# Allegro board RUBUS_20173009.brd (continued)
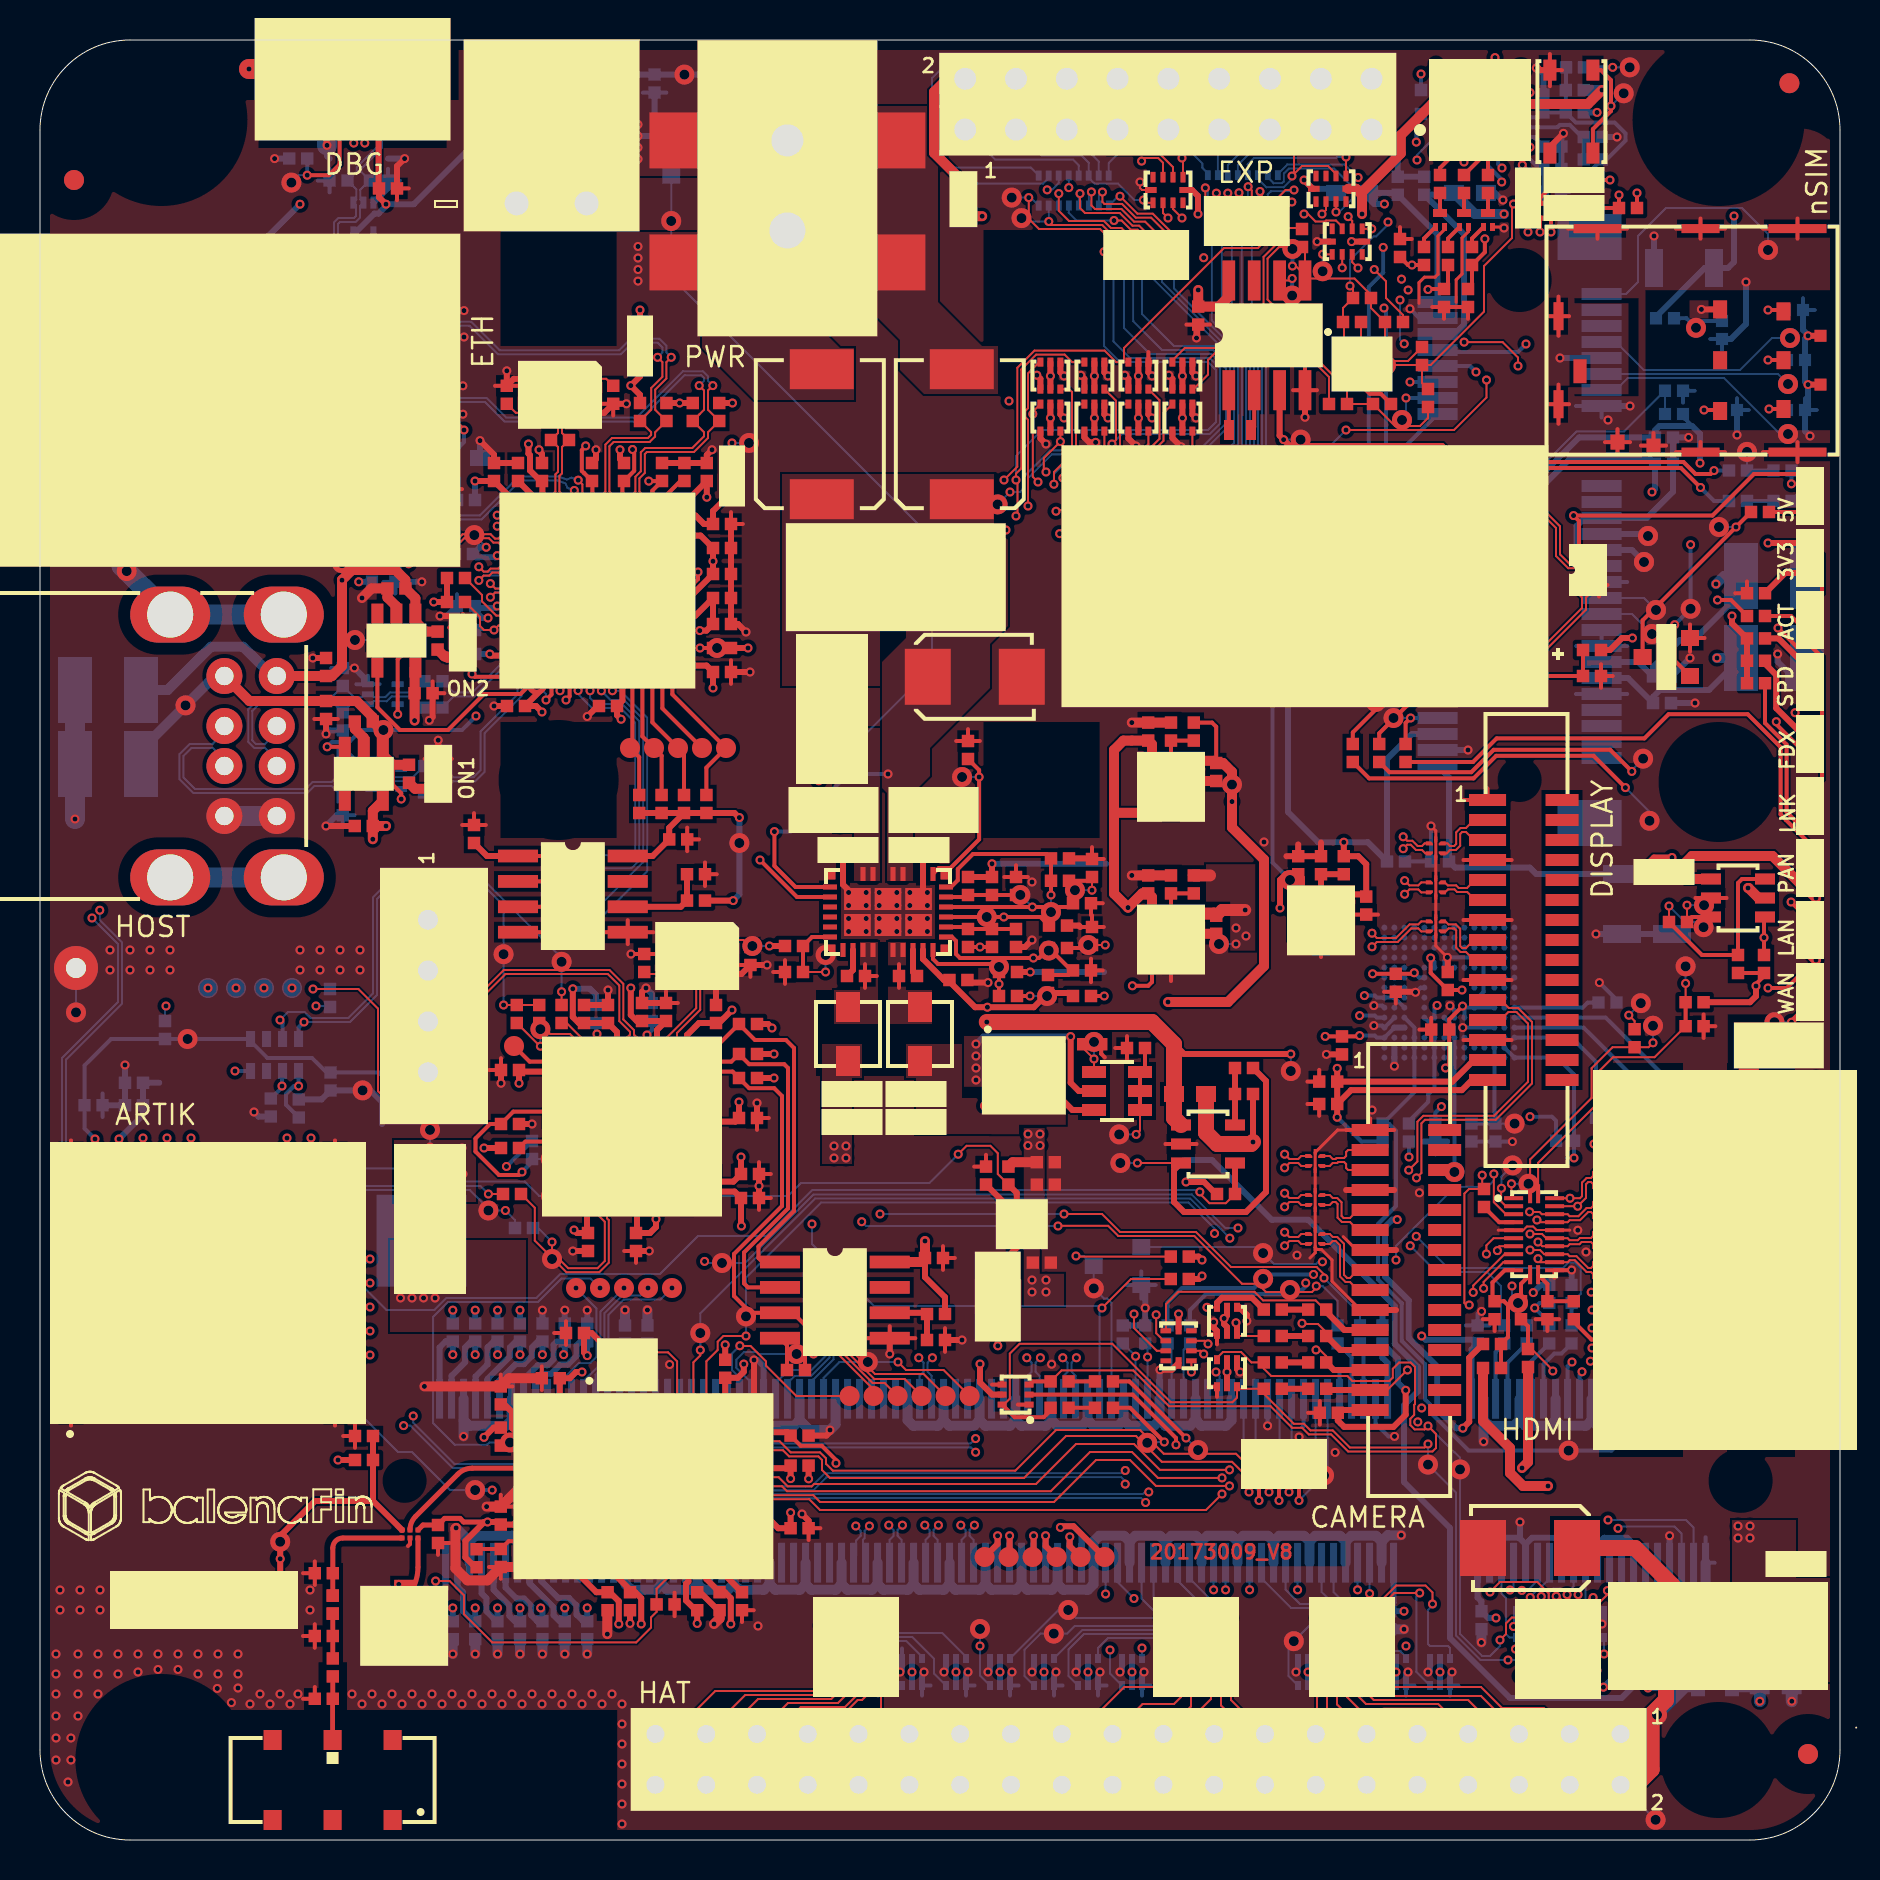
[diagram p0: board, top side]
## Routing (per net, layer and track width the routed paths; a pad name or vN(x,y) marks a point on that pad's centre or on a via; arc(x,y) is an arc through that point) (continued)
EE_CS: length 22.2
  TOP w0.2: U22.24 27.62,57.62 27.5,57.5 v1(27.5,57.46) ; U19.1 v1(25.5,49.2)
  TOP w0.3: U19.1 22.35,49.2 R170.2
  BOTTOM w0.1: v1(27.5,57.46) 27.5,57.1 27.8,56.8 29.11,56.8 29.96,55.94 29.96,48.98 29.57,48.59 28.05,48.59 v2(27.4,47.94) 27.02,47.55 25.34,47.55 25.1,47.8 25.1,48.8 v1(25.5,49.2)
EE_CS_FTDI: length 18.2
  TOP w0.2: U8.1 33.77,39.62 R191.1 34.95,40.8 35.75,40 37.3,40 37.7,39.6 37.7,31.45 35.92,29.68 35.92,29.1 36.12,28.9 U21.1
EE_DATA_FTDI: length 21.5
  TOP w0.2: R190.1 38.25,25.75 37.64,26.36 U21.3 35.54,26.36 34.7,27.2 34.7,29.3 37.1,31.7 37.1,37.2 36.71,37.59 35.46,37.59 34.95,38.1 R197.2 34.63,38.42 U8.55
EE_DI: length 18.4
  TOP w0.2: U19.4 v1(25.5,45.39) ; U22.26 v1(28.62,57.46)
  BOTTOM w0.1: v1(25.5,45.39) v2(26.35,45.39) 27.31,45.39 30.36,48.44 30.36,56.11 29.01,57.46 v1(28.62,57.46)
EE_DO: length 17.7
  TOP w0.2: U22.25 28.12,57.51 v1(28.07,57.46) ; U19.3 v1(25.5,46.66)
  BOTTOM w0.1: v1(28.07,57.46) 28.53,57 29.19,57 30.16,56.03 30.16,48.9 27.93,46.66 v2(27.43,46.66) v1(25.5,46.66)
EMMC_CLK: length 35.7
  INT1 w0.2: v1(66.22,42.22) 67.28,42.22 69.77,39.73 77.27,39.73 83.36,33.64 83.36,26.19 v1(80.58,23.41)
  BOTTOM w0.2: J2.10 v1(80.58,23.41) ; v1(66.22,42.22) 66.74,42.22 66.84,42.12 U17.P7 U17.N7 U17.M6
EMMC_CMD: length 35.5
  BOTTOM w0.2: 67.14,35.81 68.72,37.39 U17.L1 U17.L2 U17.L3 68.72,40.62 U17.M5 ; 67.14,35.81 R134.1 ; 67.14,35.81 67.45,35.81 67.8,35.46 67.8,31.7 66.9,30.8 66.9,28.02 68.09,26.84 68.09,24.95 69.25,23.79 69.25,22.03 69.51,21.78 69.51,21.39 71.43,19.47 v2(76.43,19.47) 78.57,19.47 79.98,20.88 J2.12
EMMC_D0: length 35.6
  INT1 w0.2: v1(77.6,25.6) 78.28,26.28 78.28,27.19 arc(78.36,27.38) 78.54,27.45 79.29,27.45 arc(79.45,27.62) 79.29,27.78 78.54,27.78 arc(78.38,27.94) 78.54,28.11 79.29,28.11 arc(79.45,28.27) 79.29,28.43 78.54,28.43 arc(78.38,28.6) 78.54,28.76 79.29,28.76 arc(79.45,28.92) 79.29,29.09 78.54,29.09 arc(78.38,29.25) 78.54,29.42 79.29,29.42 arc(79.45,29.58) 79.29,29.74 78.54,29.74 arc(78.38,29.91) 78.54,30.07 79.29,30.07 arc(79.45,30.23) 79.29,30.4 78.54,30.4 arc(78.38,30.56) 78.54,30.72 79.29,30.72 arc(79.45,30.89) 79.29,31.05 78.54,31.05 arc(78.38,31.21) 78.54,31.38 79.29,31.38 arc(79.45,31.54) 79.29,31.7 78.54,31.7 arc(78.43,31.75) 78.38,31.87 78.38,34.12 v1(77.7,34.8)
  BOTTOM w0.2: J2.16 78.78,24.42 v1(77.6,25.6) ; U17.A3 76.58,40.12 77.8,38.9 R138.1 77.8,34.9 v1(77.7,34.8)
EMMC_D1: length 35.7
  INT1 w0.2: v1(77.6,24.6) 79.17,24.6 80.16,25.58 80.16,26.68 arc(80.2,26.79) 80.32,26.84 80.88,26.84 arc(81.04,27) 80.88,27.17 80.32,27.17 arc(80.16,27.33) 80.32,27.49 80.88,27.49 arc(81.04,27.66) 80.88,27.82 80.32,27.82 arc(80.16,27.98) 80.32,28.15 80.88,28.15 arc(81.04,28.31) 80.88,28.48 80.32,28.48 arc(80.16,28.64) 80.32,28.8 80.88,28.8 arc(81.04,28.97) 80.88,29.13 80.33,29.13 arc(80.16,29.29) 80.33,29.46 80.9,29.46 arc(81.07,29.62) 80.9,29.78 80.4,29.78 arc(80.24,29.95) 80.4,30.11 80.9,30.11 arc(81.07,30.27) 80.9,30.44 80.4,30.44 arc(80.24,30.6) 80.4,30.76 80.9,30.76 arc(81.07,30.93) 80.9,31.09 80.38,31.09 arc(80.24,31.15) 80.18,31.29 80.18,33.97 v1(79.4,34.75)
  BOTTOM w0.2: J2.18 78.18,24.02 v1(77.6,24.6) ; v1(79.4,34.75) R137.1 79.4,38.4 77.18,40.62 U17.A4
EMMC_D2: length 35.6
  INT1 w0.2: v1(81.08,34.6) 81.16,34.6 81.43,34.33 arc(81.74,33.86) 81.85,33.31 81.85,31.51 arc(81.91,31.37) 82.05,31.31 82.39,31.31 arc(82.56,31.15) 82.39,30.98 81.83,30.98 arc(81.67,30.82) 81.83,30.66 82.39,30.66 arc(82.56,30.49) 82.39,30.33 81.83,30.33 arc(81.67,30.16) 81.83,30 82.39,30 arc(82.56,29.84) 82.39,29.67 81.83,29.67 arc(81.67,29.51) 81.83,29.35 82.39,29.35 arc(82.56,29.18) 82.39,29.02 81.83,29.02 arc(81.67,28.86) 81.83,28.69 82.39,28.69 arc(82.56,28.53) 82.39,28.37 81.83,28.37 arc(81.71,28.32) 81.67,28.2 81.67,25.87 79.21,23.41 v1(77.1,23.41)
  BOTTOM w0.2: v1(77.1,23.41) 77.1,23.4 76.98,23.28 J2.22 ; U17.A5 78.28,41.12 81.08,38.33 R136.1 v1(81.08,34.6)
EMMC_D3: length 35.6
  INT1 w0.2: v1(76.7,34.1) 77,34.1 77.73,33.37 arc(77.78,33.29) 77.8,33.19 77.8,28.43 arc(77.78,28.28) 77.72,28.13 arc(77.61,28.02) 77.46,27.98 75.4,27.98 arc(75.24,27.82) 75.4,27.65 76.94,27.65 arc(77.1,27.49) 76.94,27.33 75.4,27.33 arc(75.24,27.16) 75.4,27 76.94,27 arc(77.1,26.84) 76.94,26.67 75.4,26.67 arc(75.24,26.51) 75.4,26.34 76.94,26.34 arc(77.1,26.18) 76.94,26.02 75.38,26.02 arc(75.22,25.85) 75.38,25.69 76.94,25.69 arc(77.05,25.64) 77.1,25.53 77.1,24.4 v1(76.6,23.9)
  BOTTOM w0.2: v1(76.6,23.9) 76.38,23.68 J2.24 ; v1(76.7,34.1) R135.1 76.7,38.28 75.86,39.12 U17.A1 U17.B2
EMMC_DISABLE_N: length 117.6
  INT2 w0.1: v1(83.8,22.6) 86,22.6 87.18,23.78 87.18,54.38 88.3,55.5 88.3,56.51 87.59,57.22 87.59,61.7 80.31,68.97 80.31,72.51 77.12,75.7 54.05,75.7 53,74.65 38.23,74.65 35.11,77.78 35.11,85.29 34.58,85.82 v1(33.52,85.82)
  BOTTOM w0.1: v1(33.52,85.82) 33.53,85.83 Q2.3 ; v2(83.35,23.71) 83.8,23.26 v1(83.8,22.6) 83.3,22.1 83.02,22.1 J2.2
EMMC_DS: length 7.9
  BOTTOM w0.2: U17.H5 70.7,40.64 70.7,40.14 U17.G3 U17.G2 U17.G1 v2(70.72,33.4)
EMMC_EN_N_1V8: length 85.8
  TOP w0.1: v1(53.1,26.6) 54.55,28.05 R22.1
  INT2 w0.1: v1(38.6,30.8) 38.5,30.9 38.5,32.24 38.7,32.44 38.7,52.72 v1(38.94,52.96)
  BOTTOM w0.1: Q3.1 v2(31.56,80.95) 31.56,78.14 44.6,65.1 44.6,58.62 v1(38.94,52.96) ; J2.90 52.98,26.48 v1(53.1,26.6) 53,26.7 41.7,26.7 38.6,29.8 v1(38.6,30.8)
EMMC_RST: length 6
  BOTTOM w0.2: U17.K5 69.72,40.62 U17.J3 U17.J2 U17.J1 69.72,37.59 69.41,37.28 69.41,36.91 68.45,35.95 R133.1
ETH_RX+: length 36.5
  TOP w0.1: v1(33.64,72.72) 33.4,72.48 33.4,71.51 R164.1 33.4,70.39 33.4,70.1 32.7,69.4 30.34,69.4 30.24,69.3 30.24,68.35 29.97,68.08 29.97,67.42 30.12,67.27 U22.52 ; J20.3 17,73.89 15.2,72.1 14.47,72.1 v1(14.23,72.34)
  BOTTOM w0.1: v1(33.64,72.72) 33.4,72.96 33.4,73.18 33.14,73.44 32.15,73.44 29.83,71.12 23.31,71.12 22.33,72.1 19.85,72.1 C138.1 18.63,72.1 14.47,72.1 v1(14.23,72.34)
ETH_RX-: length 36.2
  TOP w0.1: v1(14.23,71.66) 14.47,71.9 15.2,71.9 17.02,70.08 J20.6 ; v1(32.96,72.72) 33.2,72.48 33.2,71.51 32.98,71.29 R165.1 33.2,70.39 33.2,70.19 32.61,69.6 30.26,69.6 30.04,69.38 30.04,68.43 29.77,68.16 29.77,67.42 29.62,67.27 U22.53
  BOTTOM w0.1: v1(14.23,71.66) 14.47,71.9 18.63,71.9 C139.1 19.85,71.9 22.25,71.9 23.23,70.92 29.91,70.92 32.23,73.24 33.06,73.24 33.2,73.1 33.2,72.96 v1(32.96,72.72)
ETH_TX+: length 31
  TOP w0.1: U22.55 28.62,67.27 28.47,67.42 28.47,69.69 28.68,69.9 29.47,69.9 30.48,69.9 30.75,70.17 30.75,70.38 R162.1 30.76,71.51 30.76,72.52 31.32,73.08 31.32,73.89 v1(31.56,74.13) ; v1(15.88,76.14) 16.12,75.9 16.48,75.9 17.02,76.44 18.73,76.44
  BOTTOM w0.1: v1(31.56,74.13) 31.32,74.38 31.32,74.71 30.97,75.06 29.53,75.06 28.96,74.49 22.98,74.49 21.56,75.91 19.8,75.91 C136.1 18.67,75.9 16.12,75.9 v1(15.88,76.14)
ETH_TX-: length 30.7
  TOP w0.1: v1(30.88,74.13) 31.12,73.89 31.12,73.16 30.56,72.6 30.56,71.51 R163.1 30.55,70.4 30.55,70.25 30.4,70.1 29.39,70.1 29.39,70.1 28.6,70.1 28.27,69.77 28.27,67.42 28.12,67.27 U22.56 ; v1(15.88,75.46) 16.12,75.7 16.5,75.7 17.03,75.17 J20.2
  BOTTOM w0.1: v1(30.88,74.13) 31.12,74.38 31.12,74.63 30.89,74.86 29.61,74.86 29.04,74.29 22.9,74.29 21.48,75.71 19.8,75.71 C137.1 18.69,75.7 16.12,75.7 v1(15.88,75.46)
FB_3V3: length 3.5
  TOP w0.2: U27.31 46.3,47.15 C221.2 R258.1 R266.2
FB_5V: length 3.5
  TOP w0.2: R265.2 R257.1 C220.2 46.3,45.65 U27.28
GPIO4: length 24.1
  TOP w0.1: RR5.4 v1(65.85,11.1)
  INT1 w0.1: v1(68.3,9.7) 66.84,9.7 65.85,10.69 v1(65.85,11.1)
  INT2 w0.1: v1(68.3,9.7) 69.1,8.9 72.9,8.9 73.17,8.62 73.56,8.62 73.83,8.9 78.4,8.9 79,9.5 79,11.83 v1(79.6,12.43)
  BOTTOM w0.1: v1(65.85,11.1) 65.85,10.55 66.58,9.82 66.58,8.45 67.3,7.72 ; v1(79.6,12.43) 79.08,12.95 J2.15
GPIO5: length 14
  TOP w0.1: v1(72.5,12.4) 73,12.9 74.87,12.9 75.44,12.33 75.44,11.95 75.15,11.66 RR9.6
  INT2 w0.1: v1(78.92,12.5) 78.22,13.2 73.3,13.2 v1(72.5,12.4)
  BOTTOM w0.1: DS15.3 79.2,12.22 v1(78.92,12.5) 78.48,12.94 J2.17
GPIO6: length 12.5
  TOP w0.1: v1(75.06,12.17) 75.06,12.15 74.65,11.73 RR9.7
  INT2 w0.1: v1(78.2,9.3) 78.7,9.8 78.7,11.61 77.81,12.5 77.8,12.5 77.65,12.64 75.6,12.64 75.15,12.2 75.15,12.17 v1(75.06,12.17)
  BOTTOM w0.1: J2.21 77.28,11.78 77.47,11.59 77.47,10.85 DS15.6 v1(78.2,9.3)
GPIO7: length 4.9
  TOP w0.1: v1(76.36,12.27) 76.36,12.17 76.65,11.88 RR9.3
  BOTTOM w0.1: J2.23 76.68,12.68 76.36,12.36 v1(76.36,12.27) 76.33,12.27 76.02,12.58 75.67,12.58 75.44,12.34 75.44,11.94 74.97,11.47 DS17.6
GPIO8: length 32.2
  TOP w0.1: RR9.1 78.37,12.27 v1(78.37,12.47)
  INT2 w0.1: v1(78.37,12.47) 78,12.85 75.51,12.85 75.22,12.55 74.75,12.55 74.52,12.32 74.52,12.13 v1(74.51,12.13) 74.28,11.9 72.3,11.9 70.56,10.16 62.67,10.16 61.73,9.22 54.94,9.22 54.67,9.5 v1(53.5,9.5)
  BOTTOM w0.1: v1(74.51,12.13) 74.51,12.16 74.91,12.55 74.96,12.55 75.48,13.07 J2.27 ; 54.1,7.72 53.5,8.32 v1(53.5,9.5)
GPIO9: length 33.6
  TOP w0.2: RR8.14 v1(57.05,11.1)
  INT1 w0.1: v1(57.05,11.1) 57.05,12.13 58.22,13.3 67.19,13.3 69.49,11 71.72,11 73.12,12.41 73.12,12.66 73.34,12.88 73.7,12.88 v1(74.09,12.48)
  BOTTOM w0.1: v1(57.05,11.1) 56.65,10.7 51.74,10.7 51.36,10.32 v2(50.69,10.32) 50.03,10.32 49.23,9.52 49.23,8.2 49.7,7.72 ; v1(74.09,12.48) 74.15,12.48 74.15,12.44 74.29,12.44 74.36,12.5 74.4,12.5 74.88,12.98 J2.29
GPIO10: length 29.4
  TOP w0.2: RR8.13 v1(57.55,10.8)
  INT1 w0.1: v1(57.55,10.8) 57.55,12.35 58.3,13.1 67.1,13.1 69.4,10.8 71.8,10.8 v1(73.5,12.5)
  BOTTOM w0.1: v1(57.55,10.8) 57.25,10.5 52.12,10.5 50.7,9.08 DS20.3 ; J2.33 73.68,12.6 73.58,12.5 v1(73.5,12.5)
GPIO11: length 11.8
  TOP w0.1: v1(77.66,12.12) 77.53,12.12 77.15,11.75 RR9.2
  INT2 w0.1: v1(77.66,12.12) 77.66,12.04 77.7,12 77.7,10.2 77.1,9.6 73.83,9.6 v1(73.78,9.55)
  BOTTOM w0.1: J2.35 73.08,12.32 73.3,12.1 73.3,10.3 73.47,10.12 DS17.3 73.8,9.7 73.78,9.68 v1(73.78,9.55)
GPIO12: length 29.5
  TOP w0.2: v1(42.05,10.72) RR12.10
  INT2 w0.1: v1(66.48,12.32) 65.64,11.47 63.69,11.47 61.82,9.6 v1(55.1,9.6) 54.83,9.88 47.71,9.88 47.16,9.32 43.45,9.32 v1(42.05,10.72)
  BOTTOM w0.1: J2.45 v1(66.48,12.32) ; DS18.6 v1(55.1,9.6)
GPIO13: length 32.7
  TOP w0.2: RR12.11 v1(41.55,11.05)
  INT2 w0.1: v1(41.55,11.05) 41.6,11.1 55.52,11.1 55.95,11.53 63.47,11.53 64.44,12.51 v1(65.88,12.51)
  BOTTOM w0.1: J2.47 v1(65.88,12.51) ; v1(41.55,11.05) 41.55,10.69 41.89,10.35 45.11,10.35 46.3,9.16 DS22.3
GPIO14: length 7.8
  TOP w0.1: RR5.3 v1(66.35,10.72)
  BOTTOM w0.1: DS12.3 68.3,9.16 68.01,9.45 67.35,9.45 66.35,10.45 v1(66.35,10.72) 66.35,11.13 66.01,11.47 65.6,11.47 64.68,12.39 J2.51
GPIO15: length 6.5
  TOP w0.1: RR5.5 v1(65.35,10.72)
  BOTTOM w0.1: J2.53 64.08,12.4 65.35,11.13 v1(65.35,10.72) 66.1,9.97 DS13.3
GPIO16: length 31.1
  TOP w0.2: RR12.12 v1(41.05,10.72)
  INT2 w0.1: v1(62.88,12.51) 62.11,11.73 55.87,11.73 55.44,11.3 41.83,11.3 41.71,11.42 41.39,11.42 41.17,11.2 41.17,11.12 41.05,11 v1(41.05,10.72)
  BOTTOM w0.1: v1(41.05,10.72) 41.62,10.15 43.61,10.15 44.7,9.06 44.7,8.32 45.3,7.72 ; J2.57 v1(62.88,12.51)
GPIO17: length 8.7
  TOP w0.1: RR5.6 v1(64.85,11.1)
  BOTTOM w0.1: J2.59 62.28,12.52 63,11.8 64.15,11.8 v1(64.85,11.1) 64.85,10.69 64.62,10.47 64.62,8.2 65.1,7.72
GPIO18: length 8
  TOP w0.1: RR5.7 v1(64.35,10.72)
  BOTTOM w0.1: J2.63 61.08,13.07 62.55,11.6 63.88,11.6 64.35,11.13 v1(64.35,10.72) 64.35,9.53 DS14.3
GPIO19: length 27.5
  TOP w0.2: v1(40.55,11.05) RR12.13
  INT2 w0.1: v1(60.48,12.51) 59.91,11.93 55.79,11.93 55.35,11.5 41.91,11.5 41.79,11.62 41.31,11.62 41.09,11.4 40.7,11.4 40.55,11.25 v1(40.55,11.05)
  BOTTOM w0.1: DS23.3 44.1,9.16 43.31,9.95 40.95,9.95 40.55,10.35 v1(40.55,11.05) ; J2.65 v1(60.48,12.51)
GPIO20: length 27.7
  TOP w0.2: RR12.14 v1(40.05,10.72)
  INT2 w0.1: v1(40.05,10.72) 40.05,11.27 40.18,11.4 40.37,11.4 40.39,11.42 40.44,11.42 40.62,11.6 41.01,11.6 41.23,11.82 41.87,11.82 41.99,11.7 55.27,11.7 55.7,12.13 58.91,12.13 v1(59.28,12.51)
  BOTTOM w0.1: v1(40.05,10.72) 40.05,10.15 40.45,9.75 41.81,9.75 42.38,9.19 42.38,8.45 43.1,7.72 ; J2.69 v1(59.28,12.51)
GPIO21: length 26.8
  TOP w0.2: RR12.16 v1(39.05,10.72)
  INT2 w0.1: v1(58.68,12.51) 58.49,12.7 52.94,12.7 52.46,12.22 40.19,12.22 39.05,11.08 v1(39.05,10.72)
  BOTTOM w0.1: v1(39.05,10.72) 39.05,9.57 40.9,7.72 ; J2.71 v1(58.68,12.51)
GPIO22: length 12.2
  TOP w0.2: RR8.9 v1(59.55,11.1)
  BOTTOM w0.1: J2.75 57.48,13.07 59.45,11.1 v1(59.55,11.1) 59.55,10.77 58.88,10.1 53.4,10.1 52.9,9.6 DS19.3
GPIO23: length 15.2
  TOP w0.2: RR8.10 v1(59.05,10.8)
  BOTTOM w0.1: J2.77 56.88,12.97 57.95,11.9 58.28,11.9 59.05,11.13 v1(59.05,10.8) 58.55,10.3 52.2,10.3 51.42,9.53 51.42,8.2 51.9,7.72
GPIO24: length 20.8
  TOP w0.2: RR8.11 v1(58.55,11.1)
  INT2 w0.1: v1(58.55,11.1) 57.52,10.07 47.38,10.07 v1(47,9.7)
  BOTTOM w0.1: v2(47,10.55) v1(47,9.7) 47,8.22 47.5,7.72 ; J2.81 55.68,12.02 56,11.7 57.95,11.7 v1(58.55,11.1)
GPIO25: length 12.4
  TOP w0.2: RR8.16 v1(56.05,11.1)
  BOTTOM w0.1: J2.83 55.08,12.07 v1(56.05,11.1) 51.81,11.1 v2(51.41,11.5) 50.92,11.5 DS21.6
GPIO26: length 22.1
  TOP w0.2: RR12.15 v1(39.55,11.05)
  INT2 w0.1: v1(54.7,12.07) 54.52,11.9 42.08,11.9 41.95,12.02 41.15,12.02 40.92,11.8 40.53,11.8 40.36,11.62 40.31,11.62 40.29,11.6 40.1,11.6 v1(39.55,11.05)
  BOTTOM w0.1: v1(54.7,12.07) 53.88,12.89 J2.87 ; DS24.3 41.9,9.16 41.51,9.55 40.15,9.55 39.55,10.15 v1(39.55,11.05)
GPIO27: length 17.9
  TOP w0.1: RR5.8 v1(63.85,11.1)
  INT1 w0.1: v1(53.28,12.3) 55.18,10.4 63.15,10.4 v1(63.85,11.1)
  BOTTOM w0.1: v1(63.85,11.1) v2(62.69,9.94) 62.42,9.68 62.42,8.2 62.9,7.72 ; J2.89 v1(53.28,12.3)
HDMI_CEC: length 75
  TOP w0.1: v1(79.44,41.24) 79.73,40.95 R6.1
  INT2 w0.1: v1(29.3,15.5) 32.18,12.62 52.3,12.62 52.78,13.1 65.1,13.1 70.2,18.2 70.2,26.5 71.79,28.09 71.79,29.49 76.33,34.02 76.33,34.26 76.54,34.48 76.78,34.48 79.44,37.14 v1(79.44,41.24)
  BOTTOM w0.1: J2.171 28.68,14.88 v1(29.3,15.5) ; v1(79.44,41.24) v2(80.04,41.84)
HDMI_CEC_CON: length 10.4
  TOP w0.1: v1(77.56,27.39) 77.67,27.5 J1.13 ; U1.6 72.68,30.09 72.32,29.73 v1(72.32,29.3)
  INT2 w0.1: v1(72.32,29.3) 72.32,29.55 72.61,29.84 73.16,29.84 75.61,27.39 v1(77.56,27.39)
HDMI_CK+: length 48.3
  TOP w0.1: J1.10 77.75,29 77.65,28.9 77.65,28.7 77.55,28.6 77.41,28.6 76.82,29.19 76.48,29.19 76.38,29.29 U1.15 75.21,29.29 75,29.5 v1(74.5,29.5)
  INT1 w0.1: v1(46.04,15.74) 46.28,15.98 46.28,16.21 46.73,16.66 51.7,16.66 54.01,14.35 64.42,14.35 67.15,17.08 67.15,24.65 71.1,28.6 73.83,28.6 74.22,28.99 74.23,29.25 v1(74.5,29.5)
  BOTTOM w0.1: J2.113 46.08,15.01 46.28,15.21 46.28,15.5 v1(46.04,15.74)
HDMI_CK-: length 47.8
  TOP w0.1: v1(74.9,29.07) 74.9,28.99 75,28.89 U1.14 76.38,28.89 76.48,28.99 76.74,28.99 77.33,28.4 77.55,28.4 77.65,28.3 77.65,28.1 77.75,28 J1.12
  INT1 w0.1: v1(46.72,15.74) 46.48,15.98 46.48,16.12 46.82,16.46 51.62,16.46 53.93,14.15 64.5,14.15 67.35,17 67.35,24.57 71.18,28.4 73.91,28.4 74.34,28.83 74.35,28.83 74.63,28.82 v1(74.9,29.07)
  BOTTOM w0.1: J2.111 46.68,15.01 46.48,15.21 46.48,15.5 v1(46.72,15.74)
HDMI_D0+: length 50.5
  TOP w0.1: v1(74.5,30.3) 75.1,30.3 75.31,30.09 U1.17 76.38,30.09 76.48,29.99 76.89,29.99 77,30.1 77.55,30.1 77.65,30.2 77.65,30.4 77.75,30.5 J1.7
  INT1 w0.1: v1(74.5,30.3) 74.4,30.4 72,30.4 66.54,24.94 66.54,17.41 64.1,14.97 54.26,14.97 51.94,17.29 44.99,17.29 44.48,16.78 44.48,15.98 v1(44.24,15.74)
  BOTTOM w0.1: v1(44.24,15.74) 44.48,15.5 44.48,15.21 44.28,15.01 J2.119
HDMI_D0-: length 50.3
  TOP w0.1: J1.9 77.75,29.5 77.65,29.6 77.65,29.8 77.55,29.9 77.08,29.9 76.97,29.79 76.48,29.79 76.38,29.69 U1.16 75.11,29.69 v1(74.9,29.9)
  INT1 w0.1: v1(44.92,15.74) 44.68,15.98 44.68,16.7 45.07,17.09 51.86,17.09 54.18,14.77 64.18,14.77 66.74,17.33 66.74,24.86 72.08,30.2 74.07,30.2 74.34,29.93 74.36,29.93 74.38,29.9 v1(74.9,29.9)
  BOTTOM w0.1: v1(44.92,15.74) 44.68,15.5 44.68,15.21 44.88,15.01 J2.117
HDMI_D1+: length 52.9
  TOP w0.1: J1.4 77.75,32 77.65,31.9 77.65,31.7 77.55,31.6 77.33,31.6 76.92,31.19 76.48,31.19 76.38,31.29 U1.20 75.09,31.29 74.98,31.4 74.49,31.4 v1(74.48,31.41)
  INT1 w0.1: v1(74.48,31.41) 74.48,31.26 74.38,31.16 71.86,31.16 65.9,25.2 65.9,17.8 63.68,15.58 54.52,15.58 52.18,17.92 43.72,17.92 42.68,16.88 42.68,15.98 v1(42.44,15.74)
  BOTTOM w0.1: J2.125 42.48,15.01 42.68,15.21 42.68,15.5 v1(42.44,15.74)
HDMI_D1-: length 52.4
  TOP w0.1: J1.6 77.75,31 77.65,31.1 77.65,31.3 77.55,31.4 77.41,31.4 77,30.99 76.48,30.99 76.38,30.89 U1.19 74.96,30.89 74.85,31 v1(74.85,31)
  INT1 w0.1: v1(74.85,31) 74.81,30.96 71.94,30.96 66.1,25.12 66.1,17.72 63.76,15.38 54.44,15.38 52.1,17.72 43.8,17.72 42.88,16.8 42.88,15.98 v1(43.12,15.74)
  BOTTOM w0.1: v1(43.12,15.74) 42.88,15.5 42.88,15.21 43.08,15.01 J2.123
HDMI_D2+: length 55.9
  TOP w0.1: U1.22 v1(76.5,32.09) 77,32.09 77.1,32.19 77.1,32.87 77.33,33.1 77.55,33.1 77.65,33.2 77.65,33.4 77.75,33.5 J1.1
  INT1 w0.1: v1(76.5,32.09) 76.13,32.09 76.03,31.99 71.79,31.99 65.22,25.42 65.22,18.12 63.29,16.19 54.79,16.19 52.43,18.55 43.07,18.55 41,16.48 41,15.91 v1(40.79,15.7)
  BOTTOM w0.1: v1(40.79,15.7) 41.03,15.46 41.03,15.2 40.8,14.98 40.8,14.22 40.68,14.09 J2.131
HDMI_D2-: length 56
  TOP w0.1: U1.21 v1(76.88,31.69) 77.3,32.11 77.3,32.79 77.41,32.9 77.55,32.9 77.65,32.8 77.65,32.6 77.75,32.5 J1.3
  INT1 w0.1: v1(76.88,31.69) 76.13,31.69 76.03,31.79 71.87,31.79 65.42,25.34 65.42,18.04 63.37,15.99 54.71,15.99 52.35,18.35 43.15,18.35 41.2,16.4 41.2,16.19 41.24,16.15 41.24,15.93 v1(41.47,15.7)
  BOTTOM w0.1: v1(41.47,15.7) 41.23,15.46 41.23,15.09 41.15,15.01 41.15,14.15 41.28,14.02 J2.129
HDMI_HPD: length 23.4
  TOP w0.1: v1(72.69,33.3) 72.69,31.89 73.29,31.29 U1.3
  INT1 w0.1: v1(67.8,29) 67.8,28.9 67.5,28.6 64.5,28.6 64.19,28.91 v1(64.12,28.91)
  BOTTOM w0.1: v1(72.69,33.3) 72.69,32.97 72.38,32.66 70.76,32.66 67.8,29.7 v1(67.8,29) ; Q1.1 60.85,29.65 v2(61.15,29.35) 61.7,28.8 63.8,28.8 63.91,28.91 v1(64.12,28.91)
HDMI_HPD_CON: length 11.1
  TOP w0.1: J1.19 78.08,24.5 v1(77.52,23.94) ; v1(72.18,27.58) 72.18,27.9 73.17,28.89 U1.9
  INT2 w0.1: v1(72.18,27.58) 72.7,27.58 75.88,24.4 77.06,24.4 v1(77.52,23.94)
HDMI_LS_OE: length 76.3
  TOP w0.1: v1(75.64,23.45) 75.64,23.49 74.58,24.55 R245.2 ; v1(71.21,74.89) 73.13,74.89 73.9,74.12 v1(73.9,73.7) ; v1(72.11,33.24) 72.11,32.64 R13.1 71.45,32.55 71.22,32.32 71.22,26.85 71.32,26.75 v1(71.46,26.75)
  TOP w0.2: R245.2 74.4,25.69 R16.1
  INT1 w0.1: v1(71.21,74.89) 71.21,77.09 67.78,80.53 67.24,80.53 67.03,80.74 67.03,81.06 68.85,82.88 v1(68.85,84)
  INT2 w0.1: v1(73.9,73.7) 73.9,65.4 72.11,63.61 v1(72.11,33.24) ; v1(71.46,26.75) 71.49,26.75 71.7,26.96 72.4,26.96 75.64,23.72 v1(75.64,23.45)
  BOTTOM w0.1: v1(68.85,84) 68.85,84.25 69.74,85.14 U25.5
HDMI_SCL: length 67.3
  TOP w0.1: v1(73.57,32.81) 73.57,32.19 73.67,32.09 U1.1
  INT2 w0.1: v1(73.57,32.81) 73.42,32.96 72.91,32.96 72.74,32.79 71.9,32.79 71.39,32.27 71.39,32.19 71.38,32.18 71.38,28.25 69.8,26.67 69.8,18.37 64.93,13.5 52.61,13.5 52.13,13.02 32.59,13.02 30.08,15.54 30.08,16.36 29.86,16.57 28.49,16.57 v1(27.48,15.56)
  BOTTOM w0.1: v2(74.42,32.81) v1(73.57,32.81) ; J2.175 v1(27.48,15.56)
HDMI_SCL_CON: length 8.7
  TOP w0.1: J1.15 v1(77.6,26.5) ; v1(72.87,29.47) 72.87,29.59 72.97,29.69 U1.7
  INT2 w0.1: v1(77.6,26.5) 76.91,27.19 75.53,27.19 73.25,29.47 v1(72.87,29.47)
HDMI_SDA: length 66
  TOP w0.1: U1.2 73.29,31.69 73.06,31.93 73.06,32.57 v1(73.07,32.59)
  INT2 w0.1: v1(73.07,32.59) 71.99,32.59 71.59,32.19 71.59,28.17 70,26.58 70,18.28 65.02,13.3 52.69,13.3 52.22,12.82 32.51,12.82 29.46,15.88 28.77,15.88 v1(28.4,15.5)
  BOTTOM w0.1: v2(73.63,33.73) 73.07,33.17 v1(73.07,32.59) ; v1(28.4,15.5) 28.08,15.18 J2.173
HDMI_SDA_CON: length 18.8
  TOP w0.1: v1(79.98,23.51) 80.26,23.79 81.05,23.79 81.47,24.21 81.47,25.7 81.17,26 J1.16 ; U1.8 73.23,29.29 71.66,27.72 v1(71.66,27.38)
  INT2 w0.1: v1(79.98,23.51) 79.51,23.04 76.6,23.04 72.48,27.16 71.88,27.16 v1(71.66,27.38)
I2C0_C_EXT: length 58.2
  TOP w0.1: v1(68.83,33.1) 69.07,33.35 69.07,35.83 69.25,36.01 72.78,36.01 74.6,37.83 74.6,40.9 73.9,41.6 73.44,41.6 73.04,42 J3.11 ; TVS2.8 58.24,24.96 58.39,24.81 v1(58.4,24.81)
  TOP w0.2: v1(57.3,20.1) 54.47,22.93 R24.2
  INT2 w0.1: v1(68.83,33.1) 68.27,33.1 67.78,33.6 67.78,33.74 66.6,34.91 61.47,34.91 58.26,31.7 57.58,31.7 52.64,26.76 52.64,23.36 53.09,22.91 57.61,22.91 57.95,23.24 57.95,24.01 57.81,24.14 57.81,24.46 58.16,24.81 v1(58.4,24.81) 58.56,24.65 58.56,24.1 58.39,23.93 58.39,22 57.3,20.92 v1(57.3,20.1)
  BOTTOM w0.1: v2(57.9,19.5) v1(57.3,20.1)
I2C0_D_EXT: length 54.2
  TOP w0.1: J3.12 73.02,41 73.42,41.4 73.82,41.4 74.4,40.82 74.4,37.91 72.7,36.21 69.17,36.21 68.87,35.91 68.87,33.93 v1(68.44,33.49) ; TVS2.7 58.03,24.46 v1(58.19,24.3)
  TOP w0.2: R26.2 54.5,21.61 v1(56.21,19.9)
  INT2 w0.1: 58.19,23.2 58.19,22.09 56.21,20.11 v1(56.21,19.9) ; 58.19,23.2 57.69,22.71 53.01,22.71 52.44,23.28 52.44,26.84 57.5,31.9 58.18,31.9 61.39,35.11 66.69,35.11 67.92,33.88 68.05,33.88 v1(68.44,33.49) ; 58.19,23.2 v1(58.19,24.3)
  BOTTOM w0.1: v1(56.21,19.9) 55.4,19.9 v2(55.36,19.86)
I2C0_SCL: length 74.6
  TOP w0.1: DS5.6 58.85,24.1 59.15,24.4 60.05,24.4 60.57,23.88 R86.2 61.19,23.57 61.56,23.2 65.37,23.2 65.62,22.95 67.47,22.95 67.64,23.12 67.64,23.56 67.95,23.88 68.53,23.88 68.75,23.66 68.75,21.8 68.71,21.76 68.71,21.25 68.51,21.06 68.51,20.75 68.73,20.53 69.23,20.53 v1(69.4,20.7) 69.8,20.3 69.8,19.6 69.62,19.43 65.41,19.43 64.55,20.28 63.44,20.28 63.11,20.61 62.61,20.61 61.53,21.69 56.45,21.69 54.66,23.48 51.08,23.48 R23.1 ; RR9.5 75.65,11.2 75.58,11.12 73.59,11.12 73.3,10.83 73.3,10.3 v1(73,10)
  TOP w0.2: R23.1 49.62,22.93 DS1.3
  INT1 w0.1: v1(73,10) 74.73,10 76.91,12.18 v1(76.91,12.27) 78.9,14.27 v1(78.9,15.59)
  BOTTOM w0.1: v1(69.4,20.7) 70.71,19.39 70.73,19.39 71,19.12 v2(71,18.53) 71,10.31 72.11,9.2 72.5,9.2 73,9.7 v1(73,10) ; v1(78.9,15.59) 78.99,15.68 81.72,15.68 82.08,15.32 J2.5 82.08,12.1 R4.1 ; DS16.6 77,12.18 v1(76.91,12.27)
I2C0_SDA: length 66.8
  TOP w0.1: RR9.4 76.15,11.94 75.9,12.19 v1(75.81,12.19) ; v1(69.4,19.8) 69.22,19.62 65.49,19.62 64.64,20.48 63.52,20.48 63.19,20.81 62.69,20.81 62.15,21.35 61.19,22.31 R88.2 59.95,22.56 DS5.3 59.85,22.12 59.62,21.89 56.53,21.89 53.61,24.81 48.98,24.81 48.49,24.32 48.49,22.07 48.19,21.77 48.1,21.77
  TOP w0.2: 48.1,21.77 48.73,21.14 50.19,21.14 50.53,21.48 R25.1
  INT1 w0.1: v1(78.4,16) 78.4,14.85 75.81,12.26 v1(75.81,12.19)
  INT2 w0.1: v1(75.81,12.19) 75.5,11.87 75.5,10.2 75.3,10 73.67,10 73.4,9.73 v1(73.4,9)
  BOTTOM w0.1: v1(78.4,16) 82.3,16 82.68,15.62 J2.3 82.68,12.62 R5.1 ; v1(69.4,19.8) v2(69.4,18.77) 70.8,17.37 70.8,10.22 72.02,9 v1(73.4,9) 75.4,9 76,9.6 DS16.3
I2C1_SCL: length 137.9
  TOP w0.1: RR3.8 62.09,80.07 61.18,79.16 v1(61.18,76.3) 61.18,75.28 60.5,74.6 57.24,74.6 56.62,73.98 DS25.6 ; R284.2 64.45,73.15 62.8,74.8 v1(61.7,74.8) ; v1(69.62,11.8) 69.62,12.38 69.28,12.72 67.81,12.72 66.85,11.76 RR5.2
  INT1 w0.1: v1(61.7,74.8) 61.18,75.32 v1(61.18,76.3) 61.81,76.93 66.15,76.93 67.22,78 67.7,78 67.74,78.04 v1(68.08,78.04)
  INT2 w0.1: v1(87.57,67.81) 88.19,67.81 88.61,67.39 88.61,67.04 87.99,66.42 87.99,57.39 88.7,56.67 88.7,51.9 88.2,51.4 88.2,15.8 84.1,11.7 80.98,11.7 v1(80.19,12.49) 79.28,13.4 71.22,13.4 v1(69.62,11.8)
  INT2 w0.2: v1(68.08,78.04) 68.47,78.04 68.83,77.68 68.83,77.29 69.87,76.25 77.35,76.25 80.86,72.74 80.86,69.2 82.25,67.81 82.61,67.81 82.85,68.05 83.2,68.05 83.44,67.81 v1(87.57,67.81)
  BOTTOM w0.1: R1.1 80.5,12.18 v1(80.19,12.49) 80.28,12.58 J2.11 ; v1(69.62,11.8) 69.62,11.72 69.4,11.5 69.4,9.8 69.5,9.7 70.4,9.7 70.5,9.6 DS11.6
  BOTTOM w0.2: R143.2 v1(87.57,67.81) ; v2(62.55,74.8) v1(61.7,74.8)
I2C1_SCL_EXT: length 13.6
  TOP w0.1: TVS18.7 64.3,81.5 v1(64.1,81.3)
  INT1 w0.1: J14.18 65.31,86.79 65.31,84.84 65.9,84.25 v1(65.9,83.13) 64.1,81.32 v1(64.1,81.3)
  BOTTOM w0.1: v1(65.9,83.13) 65.9,83.13 65.9,83.1 65.22,83.78 62.36,83.78 61.89,83.3 RR2.16
I2C1_SDA: length 132.2
  TOP w0.1: 62.3,80.6 63.05,80.6 R285.1 ; 62.3,80.6 61.88,80.6 61.59,80.31 RR3.7 ; 62.3,80.6 62.39,80.51 62.39,79.89 62.15,79.65 61.95,79.65 61.38,79.07 61.38,77.02 61.8,76.6 v1(61.8,76.1) 61.8,75.62 60.58,74.4 58.8,74.4 58.4,74 58.4,73.27 57.68,72.55 DS25.3 ; v1(68.98,12.35) 67.72,12.35 67.35,11.98 RR5.1
  INT1 w0.1: v1(61.8,76.1) 62.43,76.73 66.23,76.73 67,77.5 v1(68.41,77.5)
  INT2 w0.1: v1(68.98,12.35) 69.85,12.35 71.1,13.6 79.73,13.6 v1(80.9,12.43) 81.43,11.9 84.02,11.9 88,15.88 88,51.48 88.5,51.98 88.5,56.59 87.79,57.3 87.79,66.75 v1(88.23,67.2)
  INT2 w0.2: v1(88.23,67.2) 82.44,67.2 80.56,69.08 80.56,72.62 77.23,75.95 69.75,75.95 68.41,77.29 v1(68.41,77.5)
  BOTTOM w0.1: J2.9 80.88,12.45 v1(80.9,12.43) 81.62,11.71 R3.1 ; 69.5,7.72 68.82,8.41 68.82,12.18 v1(68.98,12.35)
  BOTTOM w0.2: v1(61.8,76.1) 62.49,76.1 62.6,75.99 v2(62.65,75.99) ; v1(88.23,67.2) 87.82,67.2 R145.2
I2C1_SDA_EXT: length 18.2
  TOP w0.1: TVS18.8 v1(64.8,81.4)
  INT2 w0.1: v1(64.8,81.4) 65.1,81.4 67.78,84.08 67.78,86.02 67.08,86.72 65.38,86.72 J14.16
  BOTTOM w0.1: v1(64.8,81.4) 64.96,81.4 65.6,82.04 65.6,82.67 64.7,83.58 62.44,83.58 62.19,83.32 62.19,82.93 62.1,82.84 61.68,82.84 61.39,83.13 RR2.15
IO0: length 10.1
  TOP w0.1: RR6.16 72.05,7.65 73.1,6.6 75.19,6.6 J18.3
IO1: length 8.1
  TOP w0.1: J18.5 72.05,7.2 67.19,7.2 66.85,7.54 RR6.15
IO2: length 6.8
  TOP w0.1: J18.7 69.91,6.8 66.3,6.8 65.85,7.25 RR6.13